# Altium PCB pcb.PcbDoc
Units mil, origin at the board's own origin, x right, y up, seen from the top; angles counter-clockwise.
Board outline 975 x 2245 mil, 2 copper layers (Top Layer, Bottom Layer), stack 22.756 mil thick; 20 components, 52 nets, 142 pads, 49 vias.
Unrouted connection lines stored in the file: 1.
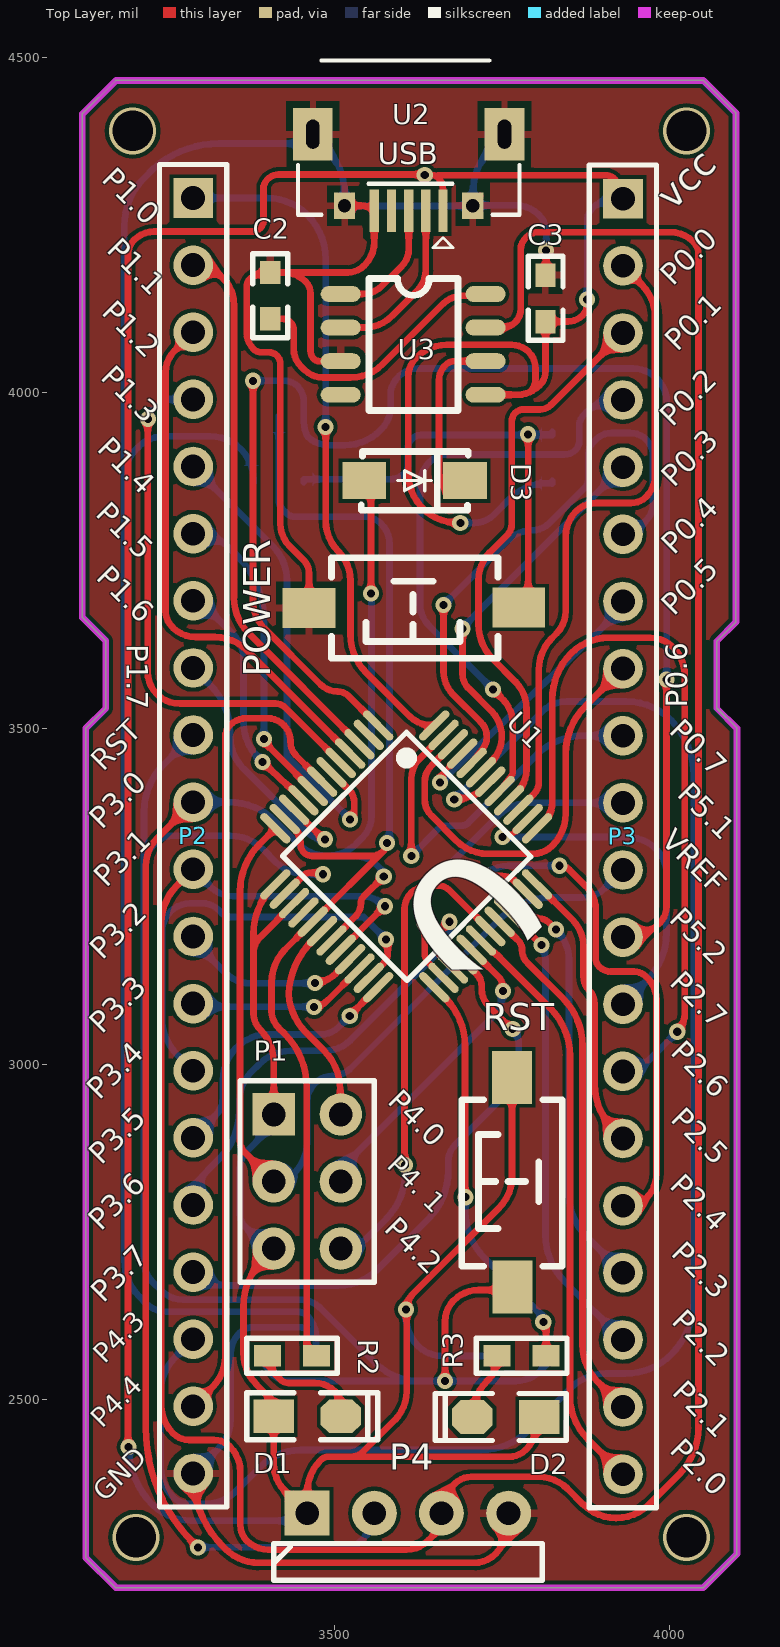
[diagram p0: Top Layer view]
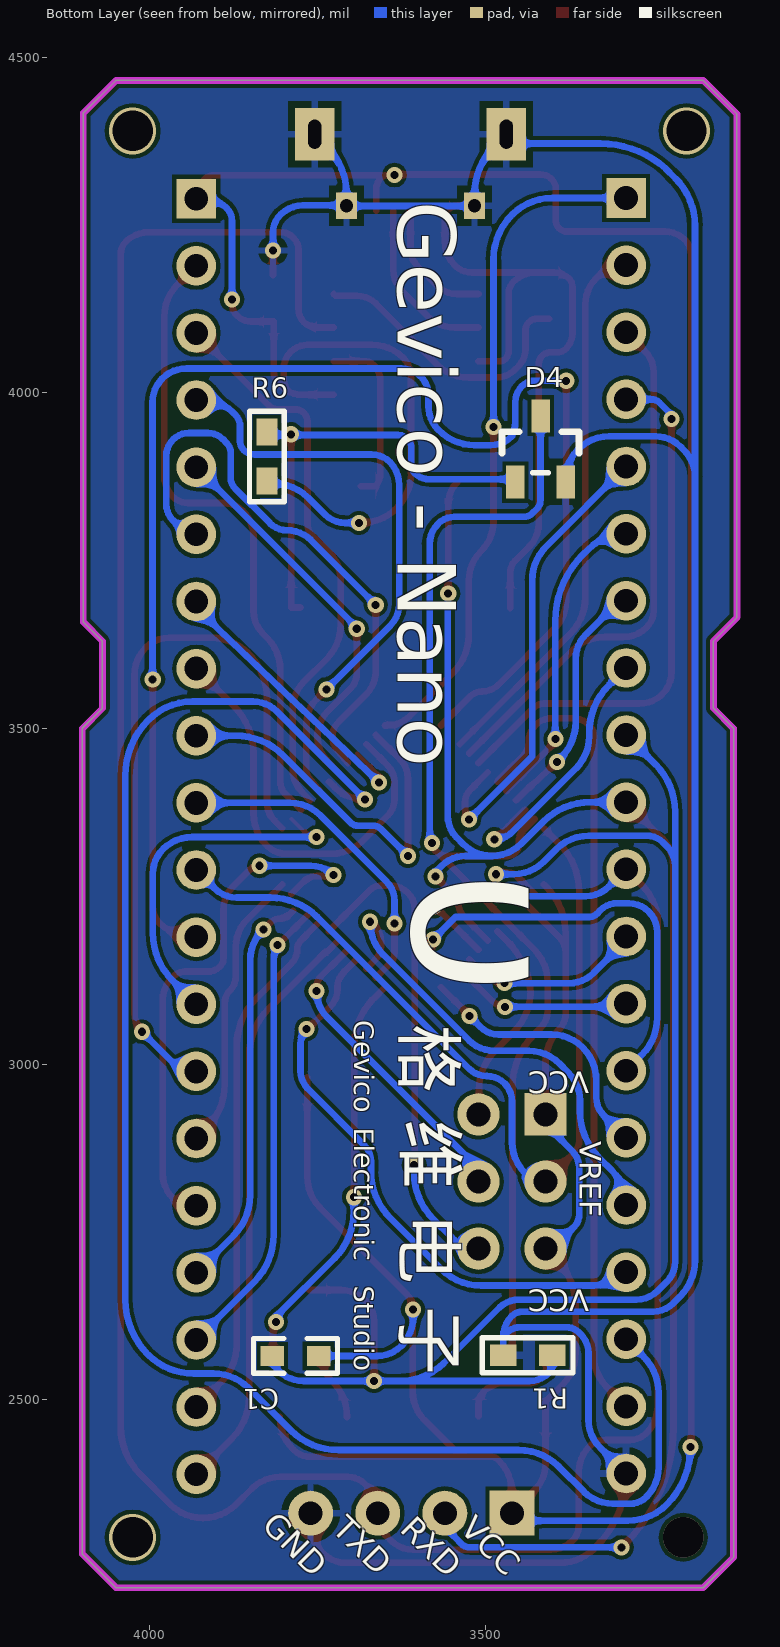
[diagram p1: Bottom Layer view, seen from below]

## Layer stack, top to bottom
Top Solder: solder mask 1, SM-001, Dk 4
Top Layer: signal copper 1.378
Dielectric 1: core 20, Core-026, Dk 4.4
Bottom Layer: signal copper 1.378
Bottom Solder: solder mask 1, SM-001, Dk 4

## Board outline
3130,2265 3175,2220 4050,2220 4100,2270 4100,3500 4070,3530 4070,3629.81 4098.54,3658.35 4098.54,4416.46 4050,4465 3175,4465 3125,4415 3125,3665 3160,3630 3160,3530 3130,3500

## Design rules (kind name [scope] priority, off if disabled: settings)
Clearance [All] p1: gap=6 ignorepadtopadclearanceinfootprint=TRUE except(0: Arc-Hole Track-Hole SMDPad-Hole THPad-Hole Via-Hole Fill-Hole Poly-Hole Region-Hole Text-Hole)
PolygonConnect [All] p1: connectstyle=Relief reliefconductorwidth=10 reliefentries=4 polygonreliefangle="90 Angle" airgapwidth=10
RoutingVias [All] p1: holewidth=12 width=24 viastyle="Through Hole" minholewidth=12 minwidth=24 maxholewidth=12 maxwidth=24
SMDNeckDown [All] p1: percent=50.000
SolderMaskExpansion [All] p1: expansion=4 istentingtop=FALSE
UnRoutedNet [All] p1: checkbadconnections=TRUE
Width [All] p1: maxlimit=10 minlimit=10 preferedwidth=10
29 further rules are at their usual default settings.

## Components (designator, comment, footprint, x,y, rotation, side; value= is the part's Value field where it differs from the comment)
C1 "105,0603" "C 0603"#1 3781.97,2565.19 r180 bottom value=104
C2 "104" "C 0603"#1 3405,4145 r90 top
C3 "104" "C 0603"#2 3815,4140 r270 top
D1 "LED-yellow" "LED 0805G" 3459.94,2475.35 r0 top
D2 "LED-blue" "LED 0805G" 3755.76,2474.24 r180 top
D3 "IN5819" IN5819 3620,3874.13 r180 top
D4 "AO3400A" SOT23-3 3420,3910 r270 bottom
P1 "Header 3X2" HDR-3X2 3410,2925 r270 top
P2 "Header20" HDR1X20 3290,4290 r270 top locked
P3 "Header20" HDR1X20 3930.26,4288.99 r270 top locked
P4 "SWD" HDR-1X4_H 3459.95,2330.9 r0 top
POWER "KEY" "TSW SMD-3*6*2.5" 3617.69,3679.21 r180 top
R1 "3.3K,0603" "R 0603" 3436.57,2566.11 r180 bottom
R2 "3.3K 0603" "R 0603" 3437.44,2565.35 r0 top
R3 "10K 0603" "R 0603" 3779.35,2565.35 r0 top
R6 "3.3K 0603" "R 0603" 3825,3905 r90 bottom
RST "KEY" "TSW SMD-3*6*2.5" 3765,2825 r90 top
U1 "STC8A8K64S4A12" LQFP48 3613.83,3311.94 r225 top
U2 "USB-mrico" USB-micro_B 3611.12,4385.03 r180 top
U3 "CH340N" SOP8 3620,4065 r0 top

## Footprints (in the part's own frame and the unit in brackets; to place one, negate y for a bottom-side part, rotate by r counter-clockwise, add the part's x,y. Pads: shape width x height; smd on the part's side, far side on the other; paste and mask are expansions set on the pad)
"C 0603"#1 [mil] "无极性贴片电容"
  rect 35x30 smd: 1(-35,0) 2(34,0)
  silkscreen extent -63,-26 62,26, body extent -31,-16 31,16, height 32
"C 0603"#2 [mil] "无极性贴片电容"
  rect 35x30 smd: 1(-35,0)
  rect 35x30 smd mask+4: 2(34,0)
  silkscreen extent -63,-26 62,26, body extent -31,-16 31,16, height 32
HDR1X20 [mm] "Connector; Header; 20 Position"
  rect 1.5x1.5 hole 0.9: 1(0,0)
  round 1.5 hole 0.9: 2(2.54,0) 3(5.08,0) 4(7.62,0) 5(10.16,0) 6(12.7,0) 7(15.24,0) 8(17.78,0) 9(20.32,0) 10(22.86,0) 11(25.4,0) 12(27.94,0) 13(30.48,0) 14(33.02,0) 15(35.56,0) 16(38.1,0) 17(40.64,0) 18(43.18,0) 19(45.72,0) 20(48.26,0)
  silkscreen extent -1.27,-1.27 49.53,1.27
HDR-1X4_H [mm] "弯脚排针，4脚"
  rect 1.7x1.7 hole 0.9: 1(0,0)
  round 1.7 hole 0.9: 2(2.54,0) 3(5.08,0) 4(7.62,0)
  silkscreen extent -1.27,-2.54 8.89,-1.14, body extent -1.27,-7.77 8.89,1.27, height 4.85
HDR-3X2 [mm] "双排排针，3x2脚"
  rect 1.6x1.6 hole 0.9: 1(0,0)
  round 1.6 hole 0.9: 2(0,2.54) 3(2.54,0) 4(2.54,2.54) 5(5.08,0) 6(5.08,2.54)
  silkscreen extent -1.27,-1.27 6.35,3.81, body extent -1.27,-1.27 6.35,3.81, height 8.5
IN5819 [mil]
  rect 65x55 smd: 1(-75,5) 2(75,5)
  silkscreen extent -80,-38 79,49, body extent -100,-46 105,56, height 89
"LED 0805G" [mil] "绿色0805LED"
  rect 60x50 smd: 1(-50,0)
  oct 60x50 smd: 2(50,0)
  silkscreen extent -90,-35 105,35, body extent -39,-25 39,25, height 32
LQFP48 [mm]
  oval 0.3x1.5 smd: 1(-2.587,-4.318) 2(-2.087,-4.318) 3(-1.587,-4.318) 4(-1.087,-4.318) 5(-0.587,-4.318) 6(-0.087,-4.318) 7(0.413,-4.318) 8(0.913,-4.318) 9(1.413,-4.318) 10(1.913,-4.318) 11(2.413,-4.318) 12(2.913,-4.318) 25(2.913,4.182) 26(2.413,4.182) 27(1.913,4.182) 28(1.413,4.182) 29(0.913,4.182) 30(0.413,4.182) 31(-0.087,4.182) 32(-0.587,4.182) 33(-1.087,4.182) 34(-1.587,4.182) 35(-2.087,4.182) 36(-2.587,4.182)
  oval 1.5x0.3 smd: 13(4.413,-2.818) 14(4.413,-2.318) 15(4.413,-1.818) 16(4.413,-1.318) 17(4.413,-0.818) 18(4.413,-0.318) 19(4.413,0.182) 20(4.413,0.682) 21(4.413,1.182) 22(4.413,1.682) 23(4.413,2.182) 24(4.413,2.682) 37(-4.087,2.682) 38(-4.087,2.182) 39(-4.087,1.682) 40(-4.087,1.182) 41(-4.087,0.682) 42(-4.087,0.182) 43(-4.087,-0.318) 44(-4.087,-0.818) 45(-4.087,-1.318) 46(-4.087,-1.818) 47(-4.087,-2.318) 48(-4.087,-2.818)
  silkscreen extent -3.16,-3.38 3.46,3.27, body extent -9.91,-4.68 4.75,5.08, height 1.62
"R 0603" [mil] "1/10W贴片电阻"
  rect 40x31.5 smd: 1(-36.5,0) 2(36.5,0)
  silkscreen extent -68,-26 67,26, body extent -31,-16 31,16, height 16
SOP8 [mm]
  oval 1.518x0.6 smd: 1(-2.797,2.082) 2(-2.797,0.812) 3(-2.797,-0.458) 4(-2.797,-1.728) 5(2.683,-1.728) 6(2.683,-0.458) 7(2.683,0.812) 8(2.683,2.082)
  silkscreen extent -1.73,-2.32 1.64,2.67, body extent -3.07,-2.31 2.93,2.69, height 1.8
SOT23-3 [mm]
  rect 1.25x0.7 smd: 1(1.092,-0.887) 2(1.092,1.013) 3(-1.407,0.063)
  silkscreen extent -0.81,-1.4 0.74,1.52, body extent -1.4,-1.32 1.4,1.58, height 1.2
"TSW SMD-3*6*2.5" [mm] "3*6*2.5mm"
  rect 2x1.5 smd: 1(-3.996,-0.02) 2(3.937,0)
  silkscreen extent -3.21,-1.9 3.09,1.9, body extent -4,-1.88 4,1.62, height 2.59
USB-micro_B [mm]
  rect 0.35x1.6 smd: 1(-1.3,2.9) 2(-0.65,2.9) 3(0,2.9) 4(0.65,2.9) 5(1.3,2.9)
  rect 1.5x2 hole 0.5 slot 1.1 at 90 deg: 5(-3.625,0) 5(3.625,0)
  rect 0.8x1 hole 0.5: 5(-2.425,2.71) 5(2.425,2.71)
  silkscreen extent -4.19,-2.79 4.19,4.3, body extent -4,-2.71 4,2.89, height 2.8

## Part data
C1 C2 C3: library part Cap, "Capacitor", LatestRevisionDate=17-Jul-2002, LatestRevisionNote="Re-released for DXP Platform.", Published=8-Jun-2000, Publisher="Altium Limited"
D1 D2: library part LED
P1: "Header, 3-Pin", LatestRevisionDate=17-Jul-2002, LatestRevisionNote="Re-released for DXP Platform.", Publisher="Altium Limited"
P2 P3: "IN-LINE"
P4: library part "Header 4", "Header, 4-Pin", LatestRevisionDate=17-Jul-2002, LatestRevisionNote="Re-released for DXP Platform.", Publisher="Altium Limited"
POWER RST: library part SW-PB_V, "SWITCH"
R1 R2 R3 R6: library part Res2, "Resistor", LatestRevisionDate=17-Jul-2002, LatestRevisionNote="Re-released for DXP Platform.", Published=8-Jun-2000, Publisher="Altium Limited"
U1: library part STC8A8K64S4A12-P48, "LQFP48"
U2: library part Micro_USB_type_b
U3: "SOP8"

## Via types
v1: diameter 24, hole 12, Top Layer to Bottom Layer, 45 vias
v2: diameter 70, hole 60, Top Layer to Bottom Layer, 3 vias
v3: diameter 70/60 (per signal layer), hole 60, Top Layer to Bottom Layer, 1 vias

## Nets (pads, with @x,y where several pads share a name; then routed paths per layer and width w, separated by ;. In a path a pad name is that pad's centre, name@x,y a point inside that pad or via, vN(x,y) a via of type N, cw(c..) or ccw(c..) an arc to the next point about the centre after c; other vN are vias at no path point)
AVREF: P1.3 P3.11 U1.12 | length 1320.2
  Top Layer w10: P1.3 3367.09,2867.91 cw(c3384.21,2885.03) 3360,2885.03 3360,3257.11 cw(c3460,3257.11) 3389.29,3327.82 U1.12
  Bottom Layer w10: P1.3 ccw(c3410,2868.6) 3440.79,2837.73 ccw(c3394.91,2883.69) 3459.85,2883.69 3459.85,2883.76 3459.85,2944.36 cw(c3497.53,2944.36) 3470.89,2971 cw(c3497.44,2944.44) 3497.44,2982 ccw(c3497.44,3019.56) 3524,2993 3749.59,3218.59 cw(c3820.3,3147.88) 3820.3,3247.88 3870,3247.88 ccw(c3870,3294.11) 3902.68,3261.42 P3.11
GND: C2.2 C3.1 D4.2 P2.20 P4.4 POWER.2 R1.1 U2.5 U3.3 | length 5206.1
  Top Layer w10: P2.20 3290,2388.71 3290,2388.65 ccw(c3441.91,2388.65) 3334.49,2281.23 3334.55,2281.17 3337.7,2278.02 ccw(c3388.54,2328.87) 3388.54,2256.96 3708.53,2256.96 ccw(c3708.53,2301.47) 3740,2270 ccw(c3691.85,2318.15) 3759.95,2318.15 P4.4 ; POWER.2 3462.69,3731.44 ccw(c3436.44,3731.44) 3455,3750 3434.14,3770.86 cw(c3468.28,3805) 3420,3805 3420,4042.93 ccw(c3402.93,4042.93) 3415,4055 ccw(c3402.93,4042.93) 3402.93,4060 3392.07,4060 cw(c3392.07,4077.07) 3380,4065 cw(c3404.14,4089.14) 3370,4089.14 3370,4157.93 cw(c3387.07,4157.93) 3375,4170 cw(c3396.73,4148.27) 3396.73,4179 C2.2 3424.76,4179 ; U2.5@3468.41,4375 U2.5@3468.41,4385.03 ; U3.3 3477.32,4046.97 cw(c3477.32,4057.32) 3470,4050 cw(c3482.07,4062.07) 3465,4062.07 3465,4147.93 ccw(c3440.41,4147.93) 3457.83,4165.28 ccw(c3424.76,4132.28) 3424.76,4179 ; U2.5@3515.65,4278.34 3541.88,4278.34 cw(c3541.88,4252.8) 3559.94,4270.86 3559.94,4224.4 3559.94,4224.34 cw(c3512.25,4224.34) 3545.98,4190.62 ; 3520.31,4179 3424.76,4179 ; 3520.36,4179 ccw(c3520.36,4212.81) 3544.26,4188.9 3545.97,4190.61 ; U2.5@3706.59,4278.34 3706.59,4282.27 U2.5@3717.34,4293.02 ; U2.5@3753.84,4376 U2.5@3753.84,4385.03 ; C3.1@3815.9,4175 v1(3815.9,4211.77)
  Bottom Layer w10: P2.20 3329.03,2429.03 ccw(c3288.06,2470) 3346,2470 3346,2568.89 cw(c3387.3,2568.89) 3358.1,2598.1 3360.01,2600.01 cw(c3379.31,2580.69) 3379.31,2608 3447.94,2608 3448,2608 cw(c3448,2581.18) 3466.98,2600.13 cw(c3452.19,2585.38) 3473.07,2585.38 ; D4.2 3380.12,3869.05 ccw(c3315.25,3870.12) 3315.25,3935 3315.19,3935 3246.21,3935 ccw(c3246.21,3882.71) 3209.24,3919.69 3203.73,3914.17 ccw(c3242.9,3875) 3187.5,3875 ; U2.5@3464.65,4371 3328.61,4371 ccw(c3328.61,4224.67) 3231.1,4333.77 3216.79,4319.47 ccw(c3287.5,4248.76) 3187.5,4248.76 3187.5,3875 ; U2.5@3468.41,4385.03 3486.36,4367.08 cw(c3415.65,4296.36) 3515.65,4296.36 3515.65,4278.34 3515.65,4278 3706.59,4278 3706.59,4278.34 U2.5@3706.59,4279 ; R1.1 3473.07,2585.38 ; U2.5@3753.84,4385.03 3735.88,4367.08 ccw(c3806.59,4296.36) 3706.59,4296.36 U2.5@3706.59,4279 ; v1(3815.9,4211.77) 3815.9,4238.7 ccw(c3778.7,4238.7) 3805,4265 ccw(c3771.2,4231.2) 3771.2,4279 U2.5@3706.59,4279 ; 3187.5,3875 3187.5,2707.59 ccw(c3264.09,2707.59) 3209.93,2653.43 3219.9,2643.47 ccw(c3250,2673.57) 3250,2631 3445.51,2631 cw(c3445.51,2610.51) 3460,2625 cw(c3428.44,2593.44) 3473.07,2593.44 3473.07,2585.38
MOS_D: D4.3 R2.2 U1.11 U1.17 | length 1812.2
  Top Layer w10: U1.11 3441.92,3349.5 cw(c3422.43,3330) 3450,3330 3450,3327.07 ccw(c3467.07,3327.07) 3455,3315 ccw(c3467.07,3327.07) 3467.07,3310 3555.26,3310 ccw(c3555.26,3336.76) 3574.16,3317.81 U1.17 3427.25,3170.9 ccw(c3476.48,3121.67) 3406.85,3121.67 3406.85,3079.32 3406.85,3079.24 ccw(c3442.95,3079.24) 3417.43,3053.72 3426.71,3044.44 cw(c3347.98,2965.78) 3459.27,2965.78 3459.27,2965.71 3459.27,2576.1 3470.02,2565.35 R2.2 ; 3574.18,3317.84 ccw(c3562.53,3329.48) v1(3579,3329.48)
  Bottom Layer w10: D4.3 3417.52,3840 ccw(c3435.67,3840) 3422.83,3827.17 3430,3820 ccw(c3442.07,3832.07) 3442.07,3815 3545.86,3815 cw(c3545.86,3780.86) 3570,3805 cw(c3539.39,3774.39) 3582.68,3774.39 3582.68,3333.16 v1(3579,3329.48)
NetC2_1: C2.1 U3.8 | length 428.4
  Top Layer w10: C2.1 3422.92,4110 cw(c3422.92,4092.92) 3435,4105 cw(c3422.93,4092.93) 3440,4092.93 3440,4064.14 ccw(c3474.14,4064.14) 3450,4040 3456.1,4033.9 ccw(c3483.48,4061.28) 3483.48,4022.56 3524.41,4022.56 ccw(c3524.41,4090.59) 3572.52,4042.48 3662.52,4132.48 cw(c3690.88,4104.12) 3690.88,4144.23 3695.19,4144.23 3695.32,4144.36 3723.03,4144.36 U3.8
NetD1_2: D1.2 R2.1 | length 167.1
  Top Layer w10: R2.1 ccw(c3440.26,2565.35) 3412.45,2537.55 3420,2530 ccw(c3432.07,2542.07) 3432.07,2525 3470.55,2525 cw(c3470.55,2480.62) 3501.94,2512 cw(c3482.62,2492.69) 3509.94,2492.69 D1.2
NetD2_2: D2.2 R3.1 | length 101.3
  Top Layer w10: D2.2 cw(c3781.87,2474.24) 3728.05,2528.05 3730,2530 ccw(c3698.97,2561.03) 3742.85,2561.03 R3.1
NetD3_1: D3.1 U3.6 | length 268.1
  Top Layer w10: D3.1@3685.43,3860.5 3663.94,3860.5 cw(c3682.5,3879.06) 3656.25,3879.06 3656.25,4018.86 cw(c3686.14,4018.86) 3665,4040 3666.29,4041.29 cw(c3680,4027.58) 3680,4046.97 U3.6
NetD4_1: D4.1 POWER.1 R6.2 | length 733.7
  Top Layer w10: POWER.1 3789,3680 v1(3789,3938)
  Bottom Layer w10: D4.1 3454.92,3871 3583.27,3871 ccw(c3583.27,3901.73) 3605,3880 ccw(c3592.93,3892.07) 3610,3892.07 3610,3917.93 cw(c3627.07,3917.93) 3615,3930 3616.34,3931.34 cw(c3630,3917.69) 3630,3937 3825,3937 R6.2@3825,3938 ; v1(3789,3938) R6.2@3825,3938 ; R6.2 R6.2@3825,3938
P0.0: P3.2 U1.39 | length 946.4
  Top Layer w10: U1.39 3797.55,3402.01 ccw(c3779.55,3420) 3805,3420 3805,3586.72 cw(c3873.28,3586.72) 3825,3635 3830.86,3640.86 ccw(c3796.72,3675) 3845,3675 3845,3785.86 ; 3845,3785.91 cw(c3898.06,3785.91) 3860.46,3823.35 ; 3860.49,3823.37 cw(c3889.98,3793.86) 3889.98,3835.58 3890.04,3835.58 3942.27,3835.58 ccw(c3942.27,3867.73) 3965,3845 ccw(c3933.56,3876.44) 3978.02,3876.44 3978.02,4113.04 ccw(c3909.99,4113.04) 3958.1,4161.15 P3.2
P0.1: P3.3 U1.40 | length 836.2
  Top Layer w10: U1.40 3772.48,3404.78 ccw(c3738.2,3439.07) 3786.68,3439.07 3786.68,3528.91 ccw(c3728.91,3528.91) 3769.76,3569.76 3736.54,3602.99 cw(c3788.57,3655) 3715,3655 3715,3720 cw(c3775.36,3720) 3732.68,3762.68 3757.64,3787.64 ccw(c3740.57,3804.71) 3764.71,3804.71 3764.71,3957.22 cw(c3782.78,3957.22) 3770,3970 cw(c3782.07,3957.93) 3782.07,3975 3806.55,3975 ccw(c3806.55,3998.45) 3823.12,3981.85 ; 3823.13,3981.87 P3.3
P0.2: P3.4 U1.41 | length 898.6
  Top Layer w10: v1@3736.45,3555.37 v1(3736.45,3558.06) 3751.27,3543.24 cw(c3715.09,3507.07) 3766.25,3507.27 cw(c3715.09,3507.07) 3766.25,3507.07 3766.25,3507 3766.28,3437.41 cw(c3749.38,3437.35) 3766.26,3436.5 cw(c3749.38,3437.35) 3762.58,3426.79 U1.41
  Bottom Layer w10: v1(3736.45,3558.06) 3641.07,3653.44 cw(c3672.63,3685) 3628,3685 3628,3862.64 3628,3862.71 cw(c3676.12,3862.71) 3642.14,3896.78 cw(c3669.31,3869.49) 3669.31,3908 3843.1,3908 ccw(c3843.1,3931.9) 3860,3915 ccw(c3847.93,3927.07) 3865,3927.07 3865,3950 cw(c3889.14,3950) 3872.07,3967.07 3875,3970 cw(c3920.85,3924.15) 3920.85,3988.99 P3.4
P0.3: P3.5 U1.43 | length 584.7
  Top Layer w10: v1(3691.27,3648.38) 3691.27,3581.07 ccw(c3721.07,3581.07) 3700,3560 3734.05,3525.95 cw(c3695.92,3487.84) 3736.23,3452.04 U1.43
  Bottom Layer w10: v1(3691.27,3648.38) 3691.27,3650.01 P3.5
P0.4: P3.6 U1.44 | length 869.3
  Top Layer w10: v1(3663,3684) 3663,3585 ccw(c3711.83,3585) 3677.3,3550.47 3717.73,3510.05 cw(c3696.98,3487.63) 3720.82,3468.55 U1.44
  Bottom Layer w10: v1(3663,3684) 3759.15,3780.15 cw(c3795,3744.3) 3795,3795 ccw(c3795,3831.21) 3820.61,3805.61 3872.5,3857.5 ccw(c3856.81,3873.19) 3879,3873.19 3879,3910.51 cw(c3899.49,3910.51) 3885,3925 3890.73,3930.73 cw(c3913.11,3908.36) 3913.11,3940 3940.86,3940 cw(c3940.86,3905.86) 3965,3930 cw(c3941.08,3906.08) 3974.91,3906.08 3974.91,3833.65 cw(c3941.75,3833.65) 3965.2,3810.2 3953.7,3798.7 cw(c3930.26,3822.15) P3.6
P0.5: P3.7 U1.45 | length 442.3
  Top Layer w5.91: v1(3658.05,3419.6) 3658.05,3429.54 U1.45
  Bottom Layer w10: v1(3658.05,3419.6) 3930.26,3679.43 P3.7
P0.6: P3.8 U1.46 | length 629.2
  Top Layer w10: U1.46 3645.14,3444.47 ccw(c3669.61,3420) 3635,3420 3635,3394.14 ccw(c3669.14,3394.14) 3645,3370 3682.59,3332.41 ccw(c3729.31,3379.13) 3729.31,3313.06 3796.16,3313.06 ccw(c3796.16,3353.84) 3825,3325 ccw(c3776.72,3373.28) 3845,3373.28 3845,3462.31 cw(c3945,3462.31) 3874.29,3533.03 P3.8
P0.7: P3.9 U1.47 | length 589.2
  Top Layer w10: v1@3615,3302.92 3615,3425 cw(c3656.46,3425) 3627.14,3454.31 U1.47
  Bottom Layer w10: v1(3615,3310) 3655,3350 cw(c3667.07,3337.93) 3667.07,3355 3689.64,3355 ccw(c3689.64,3370.36) 3700.5,3359.5 3800.7,3459.7 cw(c3871.41,3388.99) 3871.41,3488.99 P3.9
P1.0: P2.1 U1.48 | length 1014.3
  Top Layer w10: v1(3487.47,3949.07) 3487.47,3809.04 ccw(c3551.48,3809.04) 3506.19,3763.81 cw(c3462.44,3720) 3524.35,3720 3524.35,3640 ccw(c3605.76,3640) 3548.2,3582.43 3612.54,3518.09 ccw(c3646.15,3551.7) 3646.15,3504.17 U1.48
  Bottom Layer w10: P2.1 3399.64,4290 cw(c3399.64,4204.64) 3460,4265 cw(c3393.34,4198.34) 3487.61,4198.34 3487.47,4198.2 v1(3487.47,3949.07)
P1.1: P2.2 U1.3 | length 822.8
  Top Layer w10: P2.2 cw(c3290,4129.64) 3332.68,4172.32 3335,4170 cw(c3296.96,4131.96) 3350.76,4131.96 3350.76,3695 ccw(c3427.1,3695) 3373.12,3641.02 U1.3
P1.2: P2.3 U1.4 | length 794.7
  Top Layer w10: P2.3 3262.43,4062.43 ccw(c3294.87,4030) 3249,4030 3249,3675 ccw(c3282.8,3675) 3258.9,3651.1 3260,3650 ccw(c3293.97,3683.97) 3293.97,3635.93 3322.17,3635.93 cw(c3322.17,3567.86) 3370.3,3615.99 U1.4
P1.3: P2.4 U1.5 | length 828.1
  Top Layer w10: v1(3222.55,3960.69) 3222.29,3960.44 3222.29,3584.25 ccw(c3269.66,3584.25) 3270.46,3536.89 3270.52,3536.89 3412.51,3536.89 cw(c3412.51,3515.03) 3427.97,3530.49 U1.5 ; P2.4 ccw(c3290,4014.14) P2.4@3307.07,3997.07
  Bottom Layer w10: v1(3222.55,3960.69) cw(c3239.09,3960.69) 3227.39,3972.39 3240,3985 cw(c3252.07,3972.93) 3252.07,3990 P2.4
P1.4: P2.5 U1.6 | length 704
  Top Layer w10: U1.6 3522.49,3408.12 cw(c3504.38,3390) 3530,3390 3530,3379.33 cw(c3509,3379.33) v1(3523.85,3364.48)
  Bottom Layer w10: P2.5 3408.79,3771.21 cw(c3357.57,3720) 3430,3720 3430,3458.33 v1(3523.85,3364.48)
P1.5: P2.6 U1.8 | length 474
  Top Layer w10: v1(3395.44,3483.92) 3395.44,3480.05 3468.2,3407.28 U1.8
  Bottom Layer w10: P2.6@3294.96,3785.04 P2.6 cw(c3290,3710.22) 3346.41,3766.63 3354.71,3758.34 cw(c3256.37,3660) 3395.44,3660 v1(3395.44,3483.92)
P1.6: P2.7 U1.9 | length 392.2
  Top Layer w10: v1(3393.19,3449.77) U1.9 U1.9@3435.65,3411.45
  Bottom Layer w10: P2.7 cw(c3290,3665.86) 3307.07,3682.93 3350,3640 cw(c3313.79,3603.79) 3365,3603.79 3365,3510 ccw(c3442.35,3510) 3387.65,3455.31 v1(3393.19,3449.77)
P1.7: P2.8 U1.10 | length 423.9
  Top Layer w10: U1.10 3480.19,3339.07 cw(c3473.86,3332.73) 3482.81,3333.03 cw(c3473.86,3332.73) 3482.82,3332.73 3484.84,3334.75 v1(3486.38,3334.75)
  Bottom Layer w10: P2.8@3282.93,3572.93 ccw(c3265.86,3590) P2.8 3315.71,3564.29 cw(c3245,3493.58) 3345,3493.58 3345,3488.28 ccw(c3413.28,3488.28) 3365,3440 3458.85,3346.15 ccw(c3486.38,3373.68) v1(3486.38,3334.75)
P2.0: P3.20 U1.30 | length 875.8
  Top Layer w10: U1.30 3735.8,3166.97 3738.03,3166.97 3822.11,3082.89 cw(c3751.39,3012.18) 3851.39,3012.18 3851.39,2505 ccw(c3941.07,2505) 3877.66,2441.59 P3.20
P2.1: P3.19 U1.32 | length 789.2
  Top Layer w10: U1.32 3774.02,3184.43 cw(c3759.59,3170) 3780,3170 ccw(c3807.26,3170) 3787.98,3150.72 3840.71,3098 cw(c3770,3027.29) 3870,3027.29 3870,2582 ccw(c3949.07,2582) 3893.16,2526.09 P3.19
P2.2: P3.18 U1.33 | length 692.6
  Top Layer w10: U1.33 3760.51,3225.43 3799.93,3186.01
  Bottom Layer w10: v1(3809.11,3177.39) 3806.25,3176.75 cw(c3785.14,3155.63) 3815,3155.63 3815,2745.67 ccw(c3915,2745.67) 3844.29,2674.96 P3.18
P2.3: P3.17 U1.34 | length 600.3
  Top Layer w10: U1.34@3786.29,3228.08 U1.34@3792.16,3222.2 ; U1.34@3792.18,3222.19 ccw(c3806.02,3236.06) 3806.02,3216.46 cw(c3806.02,3196.87) 3819.88,3210.72 3830.24,3200.36 v1(3830.34,3200.36)
  Bottom Layer w10: v1@3830.34,3200.27 v1(3830.34,3200.36) 3831.83,3198.87 cw(c3787.96,3155) 3850,3155 3850,2805 ccw(c3936.31,2805) 3875.28,2743.97 P3.17
P2.4: P3.16 U1.35 | length 821.6
  Top Layer w10: v1(3725.81,3281.34) ccw(c3729.04,3284.57) 3729.04,3280 3750,3280 cw(c3750,3251.1) 3770.43,3271.54 U1.35 ; v1(3835.91,3295.36) cw(c3835.91,3274.3) 3850.8,3289.2 3875.39,3264.61 cw(c3840.79,3230) 3889.73,3230 3889.73,3157.73 ccw(c3907.73,3157.73) 3895,3145 3895.27,3144.73 ccw(c3912.34,3161.8) 3912.34,3137.66 3946.52,3137.66 cw(c3946.52,3111.52) 3965,3130 3966.44,3128.56 cw(c3932.88,3095) 3980.34,3095 3980.34,2837.04 cw(c3927.96,2837.04) 3965,2800 cw(c3938.42,2826.58) 3938.42,2788.99 P3.16 P3.16@3936.48,2795.22
  Bottom Layer w10: v1(3725.81,3281.34) cw(c3759.66,3247.48) 3759.66,3295.36 v1(3835.91,3295.36)
P2.5: P3.15 U1.36 | length 422.7
  Top Layer w10: U1.36 3854.92,3214.89 cw(c3815.02,3175) 3871.44,3175 3871.44,3130 ccw(c3899.71,3130) 3879.71,3110.02 ; 3879.73,3110 cw(c3859.73,3090.02) 3888,3090.02 3888,2970 ccw(c3981.56,2970) 3915.4,2903.85 P3.15
P2.6: P3.14 U1.37 | length 1137.5
  Top Layer w10: U1.37 3813.53,3362.31 ccw(c3785.85,3390) 3825,3390 3825,3543.71 3825,3543.79 cw(c3921.28,3543.79) 3853.18,3611.85 cw(c3909.14,3555.79) 3909.14,3635 3970.66,3635 cw(c3970.66,3586.16) 4005.13,3620.76 cw(c3963.8,3579.34) 4022.31,3579.34 4022.31,3579.28 4022.31,3074.93 cw(c3984.33,3074.93) v1(4011.19,3048.08)
  Bottom Layer w10: P3.14@3946.35,2988.99 P3.14 ccw(c3930.26,3041.72) 3967.54,3004.44 v1(4011.19,3048.08)
P2.7: P3.13 U1.38 | length 539.9
  Top Layer w5.91: v1(3751,3338) 3761.38,3338 U1.38
  Bottom Layer w10: v1(3751,3338) 3936.54,3338 cw(c3936.54,3276.54) 3980,3320 cw(c3943.79,3283.79) 3995,3283.79 3995,3195.16 cw(c3895,3195.16) 3965.71,3124.45 P3.13
P3.0: D3.2 P2.10 P4.2 U1.19 | length 2486.6
  Top Layer w10: P2.10 3236.88,3336.88 ccw(c3278.75,3295) 3219.53,3295 3219.53,2458.62 3219.53,2458.56 ccw(c3463.58,2458.56) 3291.01,2285.99 3291.07,2285.93 v1(3297,2280) ; U1.19 3531.5,3219.47 ccw(c3510.97,3240) 3540,3240 cw(c3553.23,3240) 3543.87,3249.35 v1(3574,3279.48) ; D3.2@3541.48,3866.54 cw(c3508.76,3833.82) 3555.03,3833.82 v1(3555.03,3700.8)
  Bottom Layer w10: P2.10 3343.08,3390 cw(c3343.08,3290) 3413.79,3360.71 3446.65,3327.85 ccw(c3489.75,3370.96) 3489.4,3310 ; v1(3297,2280) 3522.93,2280 ccw(c3522.93,2297.07) 3535,2285 3545.13,2295.13 ccw(c3509.35,2330.9) P4.2 ; 3555.81,3688 3555.81,3370 cw(c3509.47,3370) 3542.23,3337.23 3532.85,3327.85 cw(c3489.75,3370.96) 3489.75,3310 ; v1(3574,3279.48) ccw(c3558.26,3279.48) 3569.39,3290.61 3564.99,3295.01 ccw(c3528.79,3258.79) 3528.79,3310 3489.75,3310 ; 3489.4,3310 ccw(c3489.75,3370.96) 3489.75,3310 ; 3489.4,3310 3489.75,3310
P3.1: P2.11 P4.3 U1.20 U3.7 | length 4527.3
  Top Layer w10: P2.11 3265.91,3265.91 ccw(c3321.81,3210) 3242.75,3210 3242.75,2491.65 ccw(c3301.65,2491.65) 3260,2450 ccw(c3284.14,2474.14) 3284.14,2440 3320.86,2440 cw(c3320.86,2405.86) 3345,2430 cw(c3307.82,2392.82) 3360.4,2392.82 3360.4,2313.18 ccw(c3393.18,2313.18) 3370,2290 ccw(c3402.31,2322.31) 3402.31,2276.62 3607.69,2276.62 ccw(c3607.69,2322.31) 3640,2290 3645.13,2295.13 ccw(c3609.35,2330.9) P4.3 cw(c3717.99,2330.9) 3676.95,2371.95 3680,2375 cw(c3704.14,2350.86) 3704.14,2385 3805,2385 cw(c3805,2324.64) 3847.68,2367.32 3870.86,2344.14 ccw(c3920.04,2393.33) 3920,2323.77 ccw(c3920.04,2393.12) 3969.12,2344.12 4013.55,2388.55 ccw(c3942.84,2459.26) 4042.84,2459.26 4042.84,4206.11 ccw(c4016.17,4206.11) 4035.03,4224.97 ; U1.20 3574.14,3234.28 cw(c3575.95,3232.47) v1(3575.95,3235.03) ; U3.7 3750.61,4096.97 ccw(c3750.61,4124.39) 3770,4105 ccw(c3750.69,4124.31) 3778,4124.31 3778,4213.1 cw(c3801.9,4213.1) 3785,4230 3786.77,4231.77 cw(c3804.47,4214.06) 3804.47,4239.1 4000.96,4239.1 cw(c4000.96,4190.96) 4035,4225
  Bottom Layer w10: P2.11 3315.86,3264.14 ccw(c3350,3298.28) 3350,3250 3539.8,3250 cw(c3539.8,3198.87) v1(3575.95,3235.03)
P3.2: P2.12 U1.21 | length 288.1
  Top Layer w10: v1@3465.96,3120 3466.56,3120.59 v1(3471.43,3120.59) ; v1@3466.01,3120 ccw(c3466.01,3172.37) 3502.99,3135.29 U1.21
  Bottom Layer w10: P2.12 3290,3183.86 3338.37,3135.49 ccw(c3374.93,3172.05) 3374.93,3120.35 3471.18,3120.35 v1(3471.43,3120.59)
P3.3: P2.13 U1.22 | length 272.4
  Top Layer w10: v1(3470.34,3085.2) ccw(c3470.34,3109.02) 3487.18,3092.18 3490,3095 3490.54,3095 U1.22
  Bottom Layer w10: P2.13 3294.8,3085.2 v1(3470.34,3085.2)
P3.4: P2.14 U1.23 | length 669.6
  Top Layer w10: U1.23 3574.07,3150.69 ccw(c3559.77,3165) 3580,3165 3580,3179.59 ccw(c3571.58,3179.59) v1(3577.53,3185.55)
  Bottom Layer w10: P2.14 3266.86,3013.14 cw(c3322.73,3069.01) 3243.71,3069.01 3243.71,3196.96 cw(c3286.19,3196.96) 3256.16,3227 cw(c3286.19,3196.96) 3286.19,3239.44 3303.5,3239.44 cw(c3303.5,3204.59) 3328.14,3229.23 3333.64,3223.73 ccw(c3345,3235.09) 3345,3219.03 3544.05,3219.03 v1(3577.53,3185.55)
P3.5: P2.15 U1.24 | length 400.8
  Top Layer w10: v1(3523.34,3071.64) 3523.34,3072.12 U1.24
  Bottom Layer w10: P2.15 3323.3,2923.3 ccw(c3296.6,2950) 3334.36,2950 3334.36,2975.4 cw(c3404.28,2975.4) 3354.84,3024.84 cw(c3401.24,2978.44) 3401.24,3044.06 3480,3044.06 ccw(c3480,3082.11) 3506.91,3055.2 v1(3523.34,3071.64)
P3.6: P2.16 U1.27 | length 703.8
  Top Layer w10: v1(3671.7,3211.88) 3663.67,3203.85 ccw(c3684.59,3182.93) 3655,3182.93 3655,3175 ccw(c3680.93,3175) 3662.6,3156.66 U1.27
  Bottom Layer w10: P2.16 cw(c3362.43,2790) 3311.21,2841.21 3329.46,2859.46 ccw(c3258.75,2930.17) 3358.75,2930.17 3358.75,2945 cw(c3419.16,2945) 3376.43,2987.7 3389.36,3000.64 cw(c3435.54,2954.46) 3435.54,3019.76 3486.42,3019.76 ccw(c3486.42,3073.58) 3524.44,3035.49 ; 3524.48,3035.52 3651.1,3162.14 ccw(c3601.35,3211.88) v1(3671.7,3211.88)
P3.7: P2.17 U1.28 | length 871.7
  Top Layer w10: U1.28 3711.45,3135.65 cw(c3690.79,3115) 3720,3115 3720,3111.21 ccw(c3755.99,3111.21) 3730.54,3085.77 v1@3764.24,3052.06
  Bottom Layer w10: P2.17@3299.39,2680.61 P2.17 ccw(c3338.28,2738.28) 3338.28,2670 3506.2,2670 ccw(c3506.2,2753.8) 3565.46,2694.54 3641.11,2770.2 ccw(c3571.23,2840) 3670,2840 3670,2854.59 cw(c3705.41,2854.59) 3680.35,2879.61 ; 3680.37,2879.63 3764.24,2963.5 ccw(c3738.27,2989.47) 3775,2989.47 3775,3030.52 ccw(c3744.54,3030.52) v1(3766.08,3052.06)
P4.0: P1.2 U1.18 | length 313.4
  Top Layer w10: U1.18 3466.72,3182.53 ccw(c3549.89,3099.18) 3432.26,3104.55 ccw(c3521.5,3109.93) 3432.3,3103.96 ccw(c3521.5,3109.93) 3458.28,3046.72 3485,3020 cw(c3426.7,2961.7) 3509.15,2961.7 3509.15,2925.85 P1.2
P4.1: P1.4 U1.29 | length 461
  Top Layer w10: U1.29 3744.97,3129.97 cw(c3729.57,3114.57) 3751.35,3114.63 cw(c3729.57,3114.57) 3751.35,3114.57 v1(3751.35,3108.76)
  Bottom Layer w10: P1.4 3510,2844.31 3735.01,3069.32 ; 3735.03,3069.34 ccw(c3695.57,3108.76) v1(3751.35,3108.76)
P4.2: P1.6 U1.31 | length 727.4
  Top Layer w10: v1(3605.66,2849.31) 3605,2849.97 3605,3230.86 cw(c3639.14,3230.86) 3615,3255 cw(c3641.45,3228.55) 3641.45,3265.95 3655,3265.95 cw(c3655,3242.63) 3671.49,3259.12 U1.31
  Bottom Layer w10: P1.6 ccw(c3510,2781.05) 3542.15,2735.14 ccw(c3510,2781.05) 3549.63,2741.42 3577.65,2769.43 ccw(c3510.02,2837.05) 3605.66,2837.05 v1(3605.66,2849.31)
P4.3: P2.18 U1.42 | length 2489.2
  Top Layer w10: v1(3679,3394) ccw(c3679,3459.24) 3725.13,3413.11 U1.42
  Bottom Layer w10: P2.18 3263.91,2563.91 ccw(c3317.83,2510) 3241.58,2510 3241.58,2399.47 ccw(c3304.47,2399.47) 3260,2355 ccw(c3284.14,2379.14) 3284.14,2345 3309.57,2345 ccw(c3309.57,2406.39) 3352.97,2362.97 ; 3352.98,2362.98 3390,2400 cw(c3450.36,2339.64) 3390.04,2400.04 cw(c3450.36,2339.64) 3450.36,2425 3718.58,2425 ccw(c3718.58,2525) 3789.29,2454.29 3851.97,2516.97 cw(c3905,2463.95) 3905,2538.94 3933.94,2538.94 3934,2538.94 ccw(c3934,2635.24) 4002.1,2567.15 ccw(c3920.11,2649.03) 4035.99,2649.03 4035.99,3429.22 4035.99,3429.28 ccw(c3918.09,3429.28) 4001.5,3512.6 ccw(c3935.37,3446.49) 3935.37,3540 3935.31,3540 3846.21,3540 ccw(c3846.21,3488.79) 3810.01,3525.01 v1(3679,3394)
P4.4: P2.19 U1.7 | length 1224.6
  Top Layer w10: P2.19 3318.91,2518.91 ccw(c3272.82,2565) 3338,2565 3338,3474.04 ; 3338,3474.08 3338,3488.1 cw(c3361.9,3488.1) 3345,3505 cw(c3369.14,3480.86) 3369.14,3515 3400.86,3515 cw(c3400.86,3480.86) 3425,3505 cw(c3400.86,3480.86) 3435,3480.86 3435,3480 ccw(c3464.52,3480) 3443.65,3459.13 U1.7
P5.0: R3.2 U1.25 | length 600.9
  Top Layer w10: U1.25 3665.71,3097.87 cw(c3595,3027.16) 3695,3027.16 v1@3695,2810 ; v1(3811.6,2615.99) cw(c3801.34,2605.73) 3815.85,2605.73 R3.2
  Bottom Layer w10: v1(3695.53,2801.61) 3695.53,2780.89 ccw(c3795.53,2780.89) 3724.82,2710.18 3810.51,2624.49 v1@3810.51,2614.9
P5.1: P3.10 U1.26 | length 478.2
  Top Layer w10: v1@3635,3200.86 3635,3165 ccw(c3655.72,3165) 3641.07,3150.35 U1.26
  Bottom Layer w10: v1(3634.96,3209.13) 3634.96,3242.22 cw(c3677.78,3242.22) 3647.49,3272.49 3682.5,3307.5 3745,3370 ; 3745.03,3370.03 cw(c3790.85,3324.15) 3790.85,3388.99 P3.10
P5.2: P3.12 U1.1 | length 2236
  Top Layer w10: v1(3379.26,4017.7) 3379.26,3690 ccw(c3437.82,3690) 3396.41,3648.59 3479.39,3565.61 ccw(c3505,3591.21) 3505,3555 cw(c3505,3531.32) 3521.74,3548.06 U1.1 ; P3.12@3943.53,3188.99 P3.12 3934.28,3188.99 ccw(c3934.28,3260.72) 3985,3210 ccw(c3960.39,3234.61) 3995.19,3234.61 v1(3995.19,3572.9)
  Bottom Layer w10: v1(3379.26,4017.7) 3426.42,4017.7 cw(c3426.42,3991.42) 3445,4010 cw(c3420.86,3985.86) 3455,3985.86 3455,3957.07 ccw(c3504.92,3957.07) 3460.12,3935.06 ccw(c3492.18,3967.12) 3492.18,3921.78 3516.02,3921.78 ; 3516.07,3921.78 ccw(c3516.07,3995.91) 3568.52,3943.52 3570,3945 ccw(c3535.19,3979.81) 3584.42,3979.81 3584.42,4002.68 cw(c3625.11,3994.47) 3625.11,4035.98 3945,4035.98 cw(c3945,3985.25) 3980.81,4021.18 3980.87,4021.12 cw(c3945.55,3985.79) 3995.51,3985.79 3995.51,3573.22 v1(3995.19,3572.9)
RST: C1.1 P2.9 R1.2 RST.1 U1.14 | length 2353.7
  Top Layer w10: U1.14 3452.76,3279.93 cw(c3465,3267.69) 3465,3285 3478.06,3285 cw(c3478.06,3277.08) v1(3483.66,3282.68) ; v1(3665.34,2527.78) 3665.34,2616.67 cw(c3709.57,2616.67) 3678.25,2647.91 cw(c3715.24,2611.06) 3715.24,2663.27 3715.31,2663.27 3761.37,2663.27 RST.1
  Bottom Layer w10: 3242.57,2662.43 3229.78,2675.22 cw(c3260.64,2706.08) 3217,2706.08 3217,3257.33 3217,3295 ; 3242.59,2662.41 ccw(c3275,2694.87) 3275,2649 3450,2649 cw(c3450,2607.96) 3479.02,2636.98 3560.95,2555.05 ccw(c3626.78,2620.87) 3626.78,2527.78 ; P2.9 3246.29,3446.29 ccw(c3317,3375.58) 3217,3375.58 3217,3295 ; R1.2 3400.07,2551.89 ccw(c3416.89,2551.89) 3405,2540 ccw(c3434.5,2569.5) 3434.5,2527.78 3626.78,2527.78 ; v1(3483.66,3282.68) 3457.54,3282.68 cw(c3457.54,3345.65) 3413.05,3301.09 cw(c3457.54,3345.65) 3413.01,3301.12 3394.57,3319.57 ccw(c3345.24,3270.24) 3345.24,3340 3259.14,3340 ccw(c3259.14,3305.86) 3235,3330 3229.02,3324.02 ccw(c3258.04,3295) 3217,3295 ; 3770.46,2527.78 v1(3665.34,2527.78) 3626.78,2527.78 ; 3770.5,2527.78 ccw(c3770.5,2580.65) 3807.78,2543.16 ccw(c3785.95,2565.2) C1.1
UD+: U2.3 U3.1 | length 191.4
  Top Layer w10: U3.1 3542.16,4146.97 ccw(c3542.16,4187.84) 3571.06,4158.94 3601.06,4188.94 ccw(c3576.77,4213.23) 3611.12,4213.23 U2.3
UD-: U2.2 U3.2 | length 256.6
  Top Layer w10: U3.2 3544.94,4096.97 ccw(c3544.94,4155.06) 3586.02,4113.98 3623.52,4151.48 ccw(c3591.66,4183.34) 3636.71,4183.34 U2.2
USB+5V: C1.2 C3.2 D1.1 D2.1 P1.1 P1.5 P3.1 P4.1 R6.1 RST.2 U1.13 U1.15 U2.1 U3.5 | length 6625.6
  Top Layer w10: v1(3194,2429.26) 3193,2430.26 3193,4204.8 3193,4204.88 cw(c3225.4,4204.88) 3202.43,4227.72 cw(c3232.04,4198.15) 3232.04,4240 3232.1,4240 3377.93,4240 ccw(c3377.93,4257.07) 3390,4245 ccw(c3377.93,4257.07) 3395,4257.07 3395,4307.43 cw(c3417.75,4301.49) 3417.75,4325 v1@3635.06,4325 ; P1.1@3393.16,2908.16 P1.1 3410,3002.57 ccw(c3340.7,3002.57) 3389.7,3051.58 cw(c3413.12,3075) 3380,3075 3380,3165 ; P1.5 3394.29,2709.29 ccw(c3465,2638.58) 3365,2638.58 3365,2570 ccw(c3432.75,2570) 3384.83,2522.11 3409.94,2497 D1.1 3409.94,2405 ccw(c3468.09,2405) 3426.97,2363.88 P4.1 3459.95,2361.59 cw(c3528.41,2361.59) 3480,2410 cw(c3492.07,2397.93) 3492.07,2415 3525,2415 ; U1.13 3409.29,3264.3 ccw(c3480,3193.59) 3380,3193.59 3380,3165 ; U1.15 3390.13,3189.47 ccw(c3414.6,3165) 3380,3165 ; v1@3603.8,2635.53 cw(c3593.6,2625.32) 3608.03,2625.32 3608.03,2512.23 cw(c3547.81,2512.19) 3590.36,2469.57 3543.41,2422.62 cw(c3525,2441.03) 3543.12,2422.35 cw(c3525,2441.03) 3525,2415 ; v1@3607.37,2635.3 v1(3607.37,2634.54) cw(c3638.33,2634.54) 3607.38,2635.3 cw(c3638.33,2634.54) 3616.44,2656.44 3745.64,2785.64 ccw(c3698.92,2832.37) 3765,2832.37 RST.2 ; v1(3635.06,4324.02) 3648.62,4324.02 cw(c3642.93,4307.93) 3655,4320 cw(c3637.37,4302.37) 3662.3,4302.37 U2.1 ; 3655,4324.02 3903.24,4324.02 cw(c3903.24,4302.67) 3916.61,4319.32 3918.46,4317.47 P3.1 ; v1(3688,3806) cw(c3684.88,3880.53) 3610.28,3880.53 3610.28,3880.59 3610.28,4022.93 3610.28,4022.99 cw(c3651.84,4022.99) 3622.5,4052.42 cw(c3668.11,4006.72) 3668.11,4071.28 3764.57,4071.28 cw(c3764.57,4035.86) 3800,4035.86 3800,4020.59 cw(c3772.16,4020.59) 3791.85,4000.91 ; U3.5 3773.54,3996.97 ccw(c3773.54,4041.46) 3791.85,4000.91 ; D2.1 cw(c3737.01,2474.24) 3785.62,2425.62 3785,2425 cw(c3760.86,2449.14) 3760.86,2415 3525,2415 ; v1(3877,4139) 3877,4131.9 cw(c3853.1,4131.9) 3870,4115 cw(c3848.27,4136.73) 3848.27,4106 C3.2 3815,4032 cw(c3786.04,4032) 3806.52,4011.52 3805,4010 cw(c3773.54,4041.46) 3791.85,4000.91
  Bottom Layer w10: v1(3194,2429.26) 3194.08,2429.23 ccw(c3314.99,2429.22) 3229.56,2343.66 ccw(c3287.39,2401.64) 3287.4,2319.74 3448.79,2319.74 P4.1 ; P1.5 cw(c3410,2749.14) 3392.93,2732.07 3367.07,2757.93 cw(c3384.14,2775) 3360,2775 3360,2845.86 cw(c3394.14,2845.86) 3370,2870 3399.39,2899.39 ccw(c3373.79,2925) P1.1 ; v1(3607.37,2634.54) 3607.37,2622.57 ccw(c3667.57,2622.57) 3625,2580 ccw(c3660.74,2615.74) 3660.74,2565.2 C1.2 ; v1(3688,3806) 3708.28,3806 ccw(c3708.28,3848.78) 3738.53,3818.53 3762.96,3842.96 cw(c3816.16,3789.76) 3795.18,3862.01 cw(c3816.16,3789.76) 3816.16,3865 3823.18,3865 cw(c3823.18,3862.43) 3825,3864.25 R6.1 ; v1(3877,4139) 3877,4255.69 cw(c3904.31,4255.69) 3885,4275 cw(c3918.78,4241.22) 3918.78,4288.99 P3.1
pads on no net: U1.2 U1.16 U2.4 U3.4
copper on no net:
  other v2: 4025,2295 3200,4390 4025,4390
  other v3: 3205,2295

## Polygon pours and split planes (outlines as drawn)
no net on Mechanical 13 "NONET_L-01_P-001" (solid): 3175,4465
GND on Top Layer "GND_L01_P041" (solid, pour order 41): 3175,4465 3125,4415 3125,3660 3155,3630 3160,3630 3160,3530 3130,3500 3130,2265 3175,2220 4050,2220 4100,2270 4100,3500 4070,3530 4070,3629.81 4098.54,3658.35 4098.54,4416.46 4050,4465
no net on Top Layer "NONET_L01_P035" (solid, pour order 35): 3175,4465
no net on Top Layer "NONET_L01_P034" (solid, pour order 34): 3180,4455
no net on Top Layer "NONET_L01_P032" (solid, pour order 32): 2930,4025
no net on Top Layer "NONET_L01_P025" (solid, pour order 25): 3175,4465
no net on Top Layer "NONET_L01_P020" (solid, pour order 20): 3055,4490
no net on Top Layer "NONET_L01_P005" (solid, pour order 5): 4190,2160
no net on Top Layer "NONET_L01_P004" (solid, pour order 4): 4190,2205
no net on Top Layer "NONET_L01_P002" (solid, pour order 2): 3415,3970
GND on Bottom Layer "GND_L02_P042" (solid, pour order 42): 3175,4465 3125,4415 3125,3665 3160,3630 3160,3530 3130,3500 3130,2265 3175,2220 4050,2220 4100,2270 4100,3500 4070,3530 4070,3629.81 4098.54,3658.35 4098.54,4416.46 4050,4465
no net on Bottom Layer "NONET_L02_P012" (solid, pour order 12): 3165,4565

## Keep-outs
Keep-Out Layer:
  the board outline again, w10

## Silkscreen, mask and mechanical layers (free items; w line width, h text height)
Top Overlay:
  text "P1.0" at 3144.03,4308.01 h55 r315
  text "vcc" at 4015,4260 h70.87 r45
  text "P1.1" at 3151.46,4203.52 h55 r315
  text "P0.0" at 4012.68,4149.88 h55 r45
  text "P1.2" at 3143.88,4110.12 h55 r315
  text "P0.1" at 4019.19,4052.02 h55 r45
  text "P1.3" at 3142.95,4013.47 h55 r315
  text "P0.2" at 4011.54,3939.31 h55 r45
  text "P1.4" at 3137.41,3907.09 h55 r315
  text "P0.3" at 4013.82,3849.39 h55 r45
  text "P1.5" at 3135,3810 h55 r315
  text "P0.4" at 4013.82,3749.23 h55 r45
  text "P1.6" at 3135.92,3715.39 h55 r315
  text "P0.5" at 4013.82,3658.17 h55 r45
  text "P1.7" at 3180,3625 h55 r270
  text "P0.6" at 4037.36,3530.58 h55 r90
  text "P0.7" at 3989.53,3486.66 h55 r315
  text "RST" at 3163.27,3426.91 h54 r45
  text "P5.1" at 4001.56,3391.81 h55 r315
  text "P3.0" at 3162.45,3340.14 h55 r45
  text "VREF" at 3977.69,3322.82 h55 r315
  text "P3.1" at 3168.7,3253.75 h55 r45
  text "P5.2" at 3989.49,3206.15 h55 r315
  text "P3.2" at 3162.56,3145.37 h55 r45
  text "P2.7" at 3990.06,3111.68 h55 r315
  text "P3.3" at 3161.91,3035.1 h55 r45
  text "P2.6" at 3991.58,3007.97 h55 r315
  text "P3.4" at 3158.48,2936.79 h55 r45
  text "P4.0" at 3570.14,2935.14 h55 r315
  text "P2.5" at 3991.5,2907.68 h55 r315
  text "P3.5" at 3161.01,2839.94 h55 r45
  text "P4. 1" at 3570,2840 h50 r315
  text "P2.4" at 3990.63,2808.92 h55 r315
  text "P4.2" at 3565,2745 h55 r315
  text "P3.6" at 3160.3,2742.04 h55 r45
  text "P2.3" at 3992.34,2708.18 h55 r315
  text "P3.7" at 3164.39,2634.84 h55 r45
  text "P2.2" at 3992.91,2607.45 h55 r315
  text "P4.3" at 3165,2545 h50 r45
  text "P2.1" at 3994.39,2501.52 h55 r315
  text "P4.4" at 3161.57,2448.9 h50 r45
  text "P2.0" at 3990.14,2415.14 h55 r315
  text "GND" at 3165,2340 h50 r45
Bottom Overlay:
  text "Gevico - Nano" at 3659.03,4285 h150 r90
  text "0" at 3730,3290 h650 r90
  text "Gevico" at 3704.68,3065 h50 r90
  text "格" at 3644.76,3060 h130 r90
  text "VCC" at 3345,3000 h55 r180
  text "维" at 3642.82,2918.44 h130 r90
  text "Electronic" at 3704.68,2904.95 h50 r90
  text "VREF" at 3370,2885 h55 r90
  text "电" at 3644.99,2775.14 h130 r90
  text "VCC" at 3345,2675 h55 r180
  text "Studio" at 3704.68,2670 h50 r90
  text "子" at 3645.12,2640 h130 r90
  text "GND" at 3842.67,2302.6 h60 r45
  text "VCC" at 3547.34,2297.29 h60 r45
  text "RXD" at 3636.92,2296.82 h60 r45
  text "TXD" at 3738.07,2297.26 h60 r45

## Text inside footprints (layer, text, board x,y; h text height)
U1: Top Overlay "0" at 3624.44,3435.68 h650 r224.3
U2: Top Overlay "USB" at 3565,4340 h32